# Altium PCB Flow_Pump.PcbDoc (part 1 of 3) (continued)
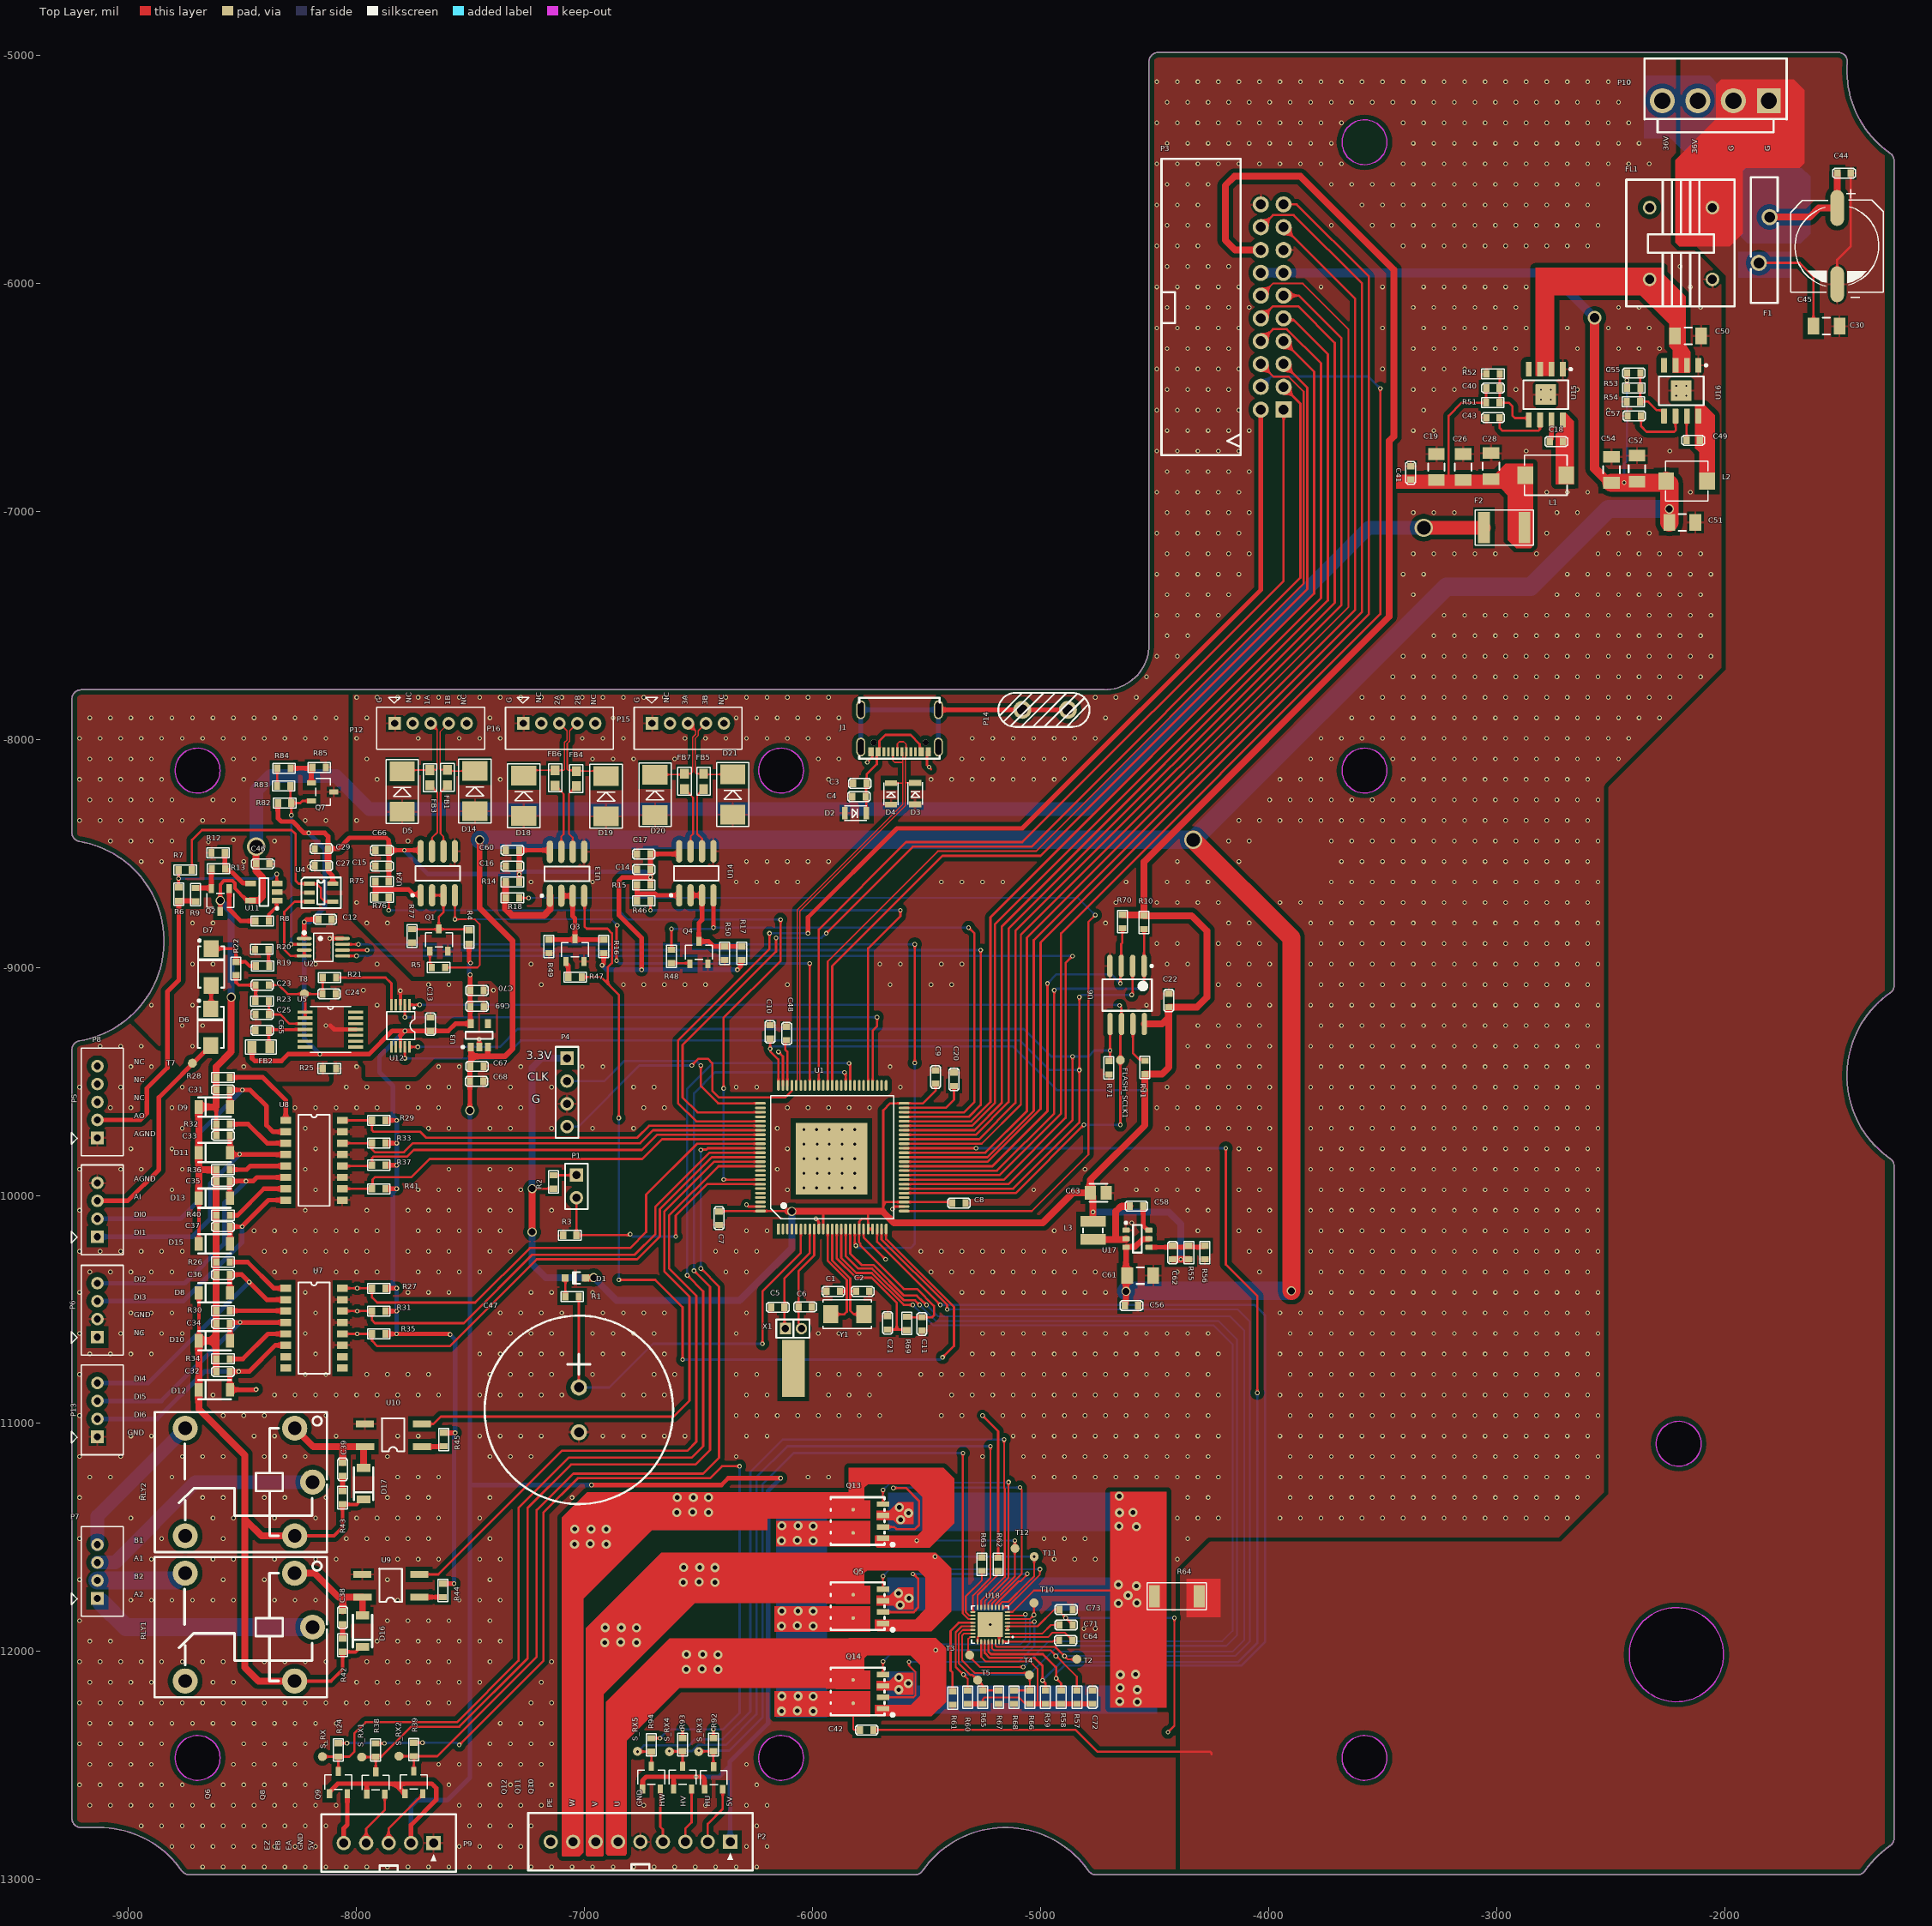
[diagram p0: Top Layer view]
## Components (designator, comment, footprint, x,y, rotation, side; value= is the part's Value field where it differs from the comment) (continued)
S_RX "TP" TPD#1 -8150,-12461.23 r90 top
S_RX1 "TP" TPD#1 -7978,-12463.23 r90 top
S_RX2 "TP" TPD#1 -7814,-12459.29 r90 top
S_RX3 "TP" TPD#1 -6500,-12439 r90 top
S_RX4 "TP" TPD#1 -6628,-12439.23 r90 top
S_RX5 "TP" TPD#1 -6768.1,-12438.29 r90 top
T2 "TP" TPD#1 -4841,-12034 r0 top
T3 "TP" TPD#1 -5311,-12016 r0 top
T4 "TP" TPD#1 -5049,-12103 r0 top
T5 "TP" TPD#1 -5275.94,-12125.5 r0 top
T7 "TP" TPD#1 -8720,-9420 r270 top
T8 "TP" TPD#1 -8229,-9115 r270 top
T10 "TP" TPD#1 -5029,-11787 r180 top
T11 "TP" TPD#1 -5028,-11584 r180 top
T12 "TP" TPD#2 -5112,-11563 r90 top
U1 "STM32F407VET6" TQFP-100 -6150,-10147 r90 top
U2 "DAC8551IADGKR" VSSOP-8_L3.0-W3.0-P0.65-LS5.0-BL -8146,-8911 r270 top
U3 "ME6119A33M5G" MCRN-SOT23-5_V -7462,-9297.75 r90 top
U4 "AD8615AUJZ-R2" SOT-23-5 -8156,-8672 r0 top
U5 "TLV2454IPW" TSSOP14 -8114.34,-9272.02 r0 top
U6 "FM25W32AI3-SO-T-G3" SOIC127P790X216-8N -4620,-9116 r270 top
U7 "TLP291-4" SOP16-T -8310.77,-10407 r0 top
U8 "TLP291-4" SOP16-T -8310.77,-9670.54 r0 top
U9 "AQY210S" SOP4 -7725.12,-11761.8 r180 top
U10 "AQY210S" SOP4 -7714,-11102 r180 top
U11 "TL071HIDBVR" DBV0005A_M -8407,-8669 r180 top
U12 "ADS1118IDGSR" VSSOP-10_L3.0-W3.0-P0.50-LS4.9-BL -7808,-9256 r180 top
U13 "THVD1400" MAXM-S8+4_M -7077,-8589 r90 top value=MAX33071EASA+
U14 "THVD1400" MAXM-S8+4_M -6510,-8587 r90 top value=MAX33071EASA+
U15 "LMR36520FADDAR" DDA0008A_M -2784,-6487 r270 top
U16 "LMR36520FADDAR" DDA0008A_M -2190,-6470 r270 top
U17 "TPS562201DDCR" DDC0006A_L -4575.02,-10189.74 r0 top
U18 "DRV8306HRSMR" VQFN-32_L4.0-W4.0-P0.40-BL-EP -5221,-11881.92 r90 top
U24 "THVD1400" MAXM-S8+4_M -7644,-8587 r90 top value=MAX33071EASA+
U28 "'" CONN-SMD_YTC1P-3015-01 -8435,-10849 r180 bottom
U29 "'" CONN-SMD_YTC1P-3015-01 -5583,-10892 r0 bottom
X1 "X308032768KGB2SC" A -6119,-10584 r0 top
Y1 "XG1EL89CSI-111YLC-8M" CRAY_5032 -5775.09,-10521 r180 top value=8M

## Footprints (in the part's own frame and the unit in brackets; to place one, negate y for a bottom-side part, rotate by r counter-clockwise, add the part's x,y. Pads: shape width x height; smd on the part's side, far side on the other; paste and mask are expansions set on the pad)
0603C [mm]
  rect 0.7x0.85 smd: 1(0,0) 2(1.5,0)
  silkscreen extent -0.5,-0.55 2,0.55
0603R [mm]
  rect 0.7x0.85 smd: 1(0,0) 2(1.5,0)
  silkscreen extent -0.5,-0.55 2,0.55
0805R [mm]
  rect 1x1.3 smd: 1(0,0) 2(2,0)
  silkscreen extent -0.7,-0.8 2.7,0.8
1812-F [mm]
  rect 1.3x3.5 smd: 1(0,0) 2(4.5,0)
  silkscreen extent -1,-1.95 5.5,1.95
2010R [mm]
  rect 1.2x2.5 smd: 1(0,0) 2(5,0)
  silkscreen extent -0.8,-1.5 5.8,1.5
A [mil]
  round 50 hole 32: 1(70,0)
  rect 50x50 hole 32: 2(0,0)
  rect 100x250 smd: 3(34.37,-175)
  silkscreen extent -40,-40 105,40
CAP-TH_BD21.0-P5.00-D0.8_CENXXX-CF [mm]
  round 1.8 hole 1.1 paste-2539.97 mask+0.05: 1(-2.5,0) 2(2.5,0)
  silkscreen extent -10.5,-10.5 10.5,10.5
CAPC2012X127N_0805 [mm] "Chip Capacitor, 0805"
  round 0.254 on Mech3: 0(0,0)
  rect 1.25x1.5 smd: 1(-0.875,0) 2(0.875,0)
  silkscreen extent -1,-1 1,1, body extent -1,-0.6 1,0.6, height 1.27
CAPC3216X156N_1206 [mm] "Chip Capacitor, 1206"
  round 0.254 on Mech3: 0(0,0)
  rect 1.3x1.85 smd: 1(-1.45,0) 2(1.45,0)
  silkscreen extent -0.4,-0.92 0.4,0.93, body extent -1.6,-0.8 1.6,0.8, height 1.52
CONN#PH2.0-4A [mm]
  rect 1.4x1.4 / inner round 1.2 / far side rect 1.4x1.4 hole 0.8: 1(0,0)
  round 1.4 / inner round 1.2 / far side round 1.4 hole 0.8: 2(0,2) 3(0,4) 4(0,6)
  silkscreen extent -2.9,-2 2.9,8, body extent -1.7,-1.95 3,7.95, height 6.01
CONN#PH2.0-5A [mm]
  rect 1.4x1.4 / inner round 1.2 / far side rect 1.4x1.4 hole 0.8: 1(0,0)
  round 1.4 / inner round 1.2 / far side round 1.4 hole 0.8: 2(0,2) 3(0,4) 4(0,6) 5(0,8)
  silkscreen extent -2.9,-2 2.9,10, body extent -1.7,-1.95 3,9.95, height 6.01
CONN-SMD_YTC1P-3015-01 [mm]
  round 2.3 smd paste+0 mask+0.05: 1(0,0)
  silkscreen extent -1.55,-1.54 1.54,1.54
CONN-TH_4P-P3.96_HX-VH3.96-4P-ZZ [mm]
  rect 2.6x2.8 hole 1.8 paste-2539.97 mask+0.05: 1(-5.94,0)
  round 2.8 hole 1.8 copper offset 0,0 paste-2539.97 mask+0.05: 2(-1.98,0)
  round 2.8 hole 1.8 paste-2539.97 mask+0.05: 3(1.98,0) 4(5.94,0)
  silkscreen extent -7.92,-4.7 7.92,3.52
CRAY_5032 [mm]
  rect 1.7x2 smd: 1(0,0) 2(3.7,0)
  silkscreen extent -0.86,-1.6 4.55,1.6
DBV0005A_M [mm] "SOT23, 5-Leads, Body 3.05x1.75mm, Pitch 0.95mm, IPC Low Density"
  rrect15% 1.2x0.65 smd: 1(-1.475,0.95) 2(-1.475,0) 3(-1.475,-0.95) 4(1.475,-0.95) 5(1.475,0.95)
  silkscreen extent -1.6,-1.55 0.5,1.95, body extent -1.42,-1.46 1.42,1.46, height 1.08
DDA0008A_M [mm] "SOP, 8-Leads, Body 4x5mm, Pitch 1.27mm, Thermal Pad 2.29x2.29mm, IPC Low Density"
  rrect15% 1.65x0.65 smd: 1(-2.825,1.905) 2(-2.825,0.635) 3(-2.825,-0.635) 4(-2.825,-1.905) 5(2.825,-1.905) 6(2.825,-0.635) 7(2.825,0.635) 8(2.825,1.905)
  rrect4% 2.29x2.29 smd: 9(0,0)
  silkscreen extent -2.95,-2.5 1.6,2.91, body extent -2.98,-2.45 2.98,2.45, height 1.55
DDC0006A_L [mm] "SOT23, 6-Leads, Body 3.05x1.75mm, Pitch 0.95mm, IPC High Density"
  rrect18% 0.8x0.55 smd: 1(-1.275,0.95) 2(-1.275,0) 3(-1.275,-0.95) 4(1.275,-0.95) 5(1.275,0) 6(1.275,0.95)
  silkscreen extent -1.4,-1.55 0.5,1.9, body extent -1.43,-1.48 1.43,1.49, height 0.9
DFN-8_L5.5-W5.2-P1.27-LS6.0-BL-EP2 [mil] "TO-252"
  rect 24x55 smd paste+2: 1(-75,-65.35) 2(-25,-65.35) 3(25,-65.35) 4(75,-65.35)
  round 15.97 smd: 5(51.18,65.35) 6(-51.18,65.35)
  Top Layer region: 11.26,-10.14 11.26,140.85 12.8,140.85 12.8,184.86 37.36,184.86 37.36,140.85 62.95,140.85 62.95,184.86 87.52,184.86 87.52,140.85 91.1,140.85 91.1,-10.14 11.26,-10.14
  Top Layer region: -91.1,-10.14 -91.1,140.85 -87.52,140.85 -87.52,184.86 -62.44,184.86 -62.44,140.85 -37.87,140.85 -37.87,184.86 -12.28,184.86 -12.28,140.85 -11.26,140.85 -11.26,-10.14 -91.1,-10.14
  silkscreen extent -107,-113 105,164
DIOD-SOD323-2_V [mm] "SOD-323, 2-Leads, Body 1.7x1.3mm, Lead Span 2.5mm"
  rect 0.8x0.8 smd: 1(-1.125,0) 2(1.125,0)
  silkscreen extent -0.56,-0.65 0.26,0.65, body extent -1.21,-0.65 1.31,0.65, height 1.13
DO-213AB/LL34/MINIMELF [mm]
  rect 0.9x1.5 smd: 1(1.75,0) 2(-1.75,0)
  silkscreen extent -1.8,-1.08 1.8,1.08
DO-214AC [mm] "Molded Diode, 2-Leads, Body 4.3x2.7mm, IPC Medium Density"
  rect 1.85x1.7 smd: 1(-2.05,0) 2(2.05,0)
  silkscreen extent -2.3,-1.45 3.07,1.45, body extent -2.3,-1.45 2.3,1.45, height 2.44
FBC0603 [mm]
  rect 1.1x1 smd: 1(0,0) 2(1.7,0)
  silkscreen extent -0.7,-0.75 2.4,0.75
FUSE-TH_L14.0-W3.0-P5.10-D0.8-LS1.20 [mm]
  round 1.8 hole 1.2 paste-2539.97 mask+0.05: 1(-2.55,0.6) 2(2.55,-0.6)
  silkscreen extent -7,-1.5 7,1.5
HDR1X2 [mm] "Connector; Header; 2 Position"
  rect 1.5x1.5 hole 0.9: 1(0,0)
  round 1.5 hole 0.9: 2(2.54,0)
  silkscreen extent -1.27,-1.27 3.81,1.27
HDR1X4 [mm] "Connector; Header; 4 Position"
  rect 1.5x1.5 hole 0.9: 1(0,0)
  round 1.5 hole 0.9: 2(2.54,0) 3(5.08,0) 4(7.62,0)
  silkscreen extent -1.27,-1.27 8.89,1.27
IDC-TH_20P-L33.0-W13.8-H-M-R2-C10-P2.54-S2.54-TR [mm]
  rect 1.8x1.8 hole 1.1: 1(11.43,1.27)
  round 1.8 hole 1.1: 2(11.43,-1.27) 3(8.89,1.27) 4(8.89,-1.27) 5(6.35,1.27) 6(6.35,-1.27) 7(3.81,1.27) 8(3.81,-1.27) 9(1.27,1.27) 10(1.27,-1.27) 11(-1.27,1.27) 12(-1.27,-1.27) 13(-3.81,1.27) 14(-3.81,-1.27) 15(-6.35,1.27) 16(-6.35,-1.27) 17(-8.89,1.27) 18(-8.89,-1.27) 19(-11.43,1.27) 20(-11.43,-1.27)
  silkscreen extent -16.51,-12.32 16.51,-3.52
IND-SMD_L4.5-W4.5_SMMS0420 [mm]
  rect 1.724x1.92 smd: 1(2.278,0) 2(-2.278,0)
  silkscreen extent -2.38,-2.23 2.38,2.23
IND-TH_4P-L14.0-W12.0_XRSQ1010-10MH-H [mm]
  round 1.524 hole 1 paste-2539.97 mask+0.05: 1(-4,-3.5) 2(4,-3.5) 3(4,3.5) 4(-4,3.5)
  silkscreen extent -7.11,-6.1 6.99,5.97
MAXM-S8+4_M [mm] "SOIC, 8-Leads, Body 4.9x3.9mm, Pitch 1.27mm, IPC Low Density"
  oval 2.5x0.7 smd: 1(-2.45,1.905) 2(-2.45,0.635) 3(-2.45,-0.635) 4(-2.45,-1.905) 5(2.45,-1.905) 6(2.45,-0.635) 7(2.45,0.635) 8(2.45,1.905)
  silkscreen extent -2.57,-2.5 0.8,2.93, body extent -2,-2.5 2,2.5, height 1.75
MCRN-SOT23-5_V [mm] "SOT-23, 5-Leads, Body 3x1.7mm, Pitch 0.95mm"
  rect 1x0.66 smd: 1(-1.3,0.95) 2(-1.3,0) 3(-1.3,-0.95) 4(1.3,-0.95) 5(1.3,0.95)
  silkscreen extent -1.42,-1.5 0.4,1.95, body extent -1.5,-1.5 1.5,1.5, height 1.45
PULS-BDCD00252012_V [mm] "SMD, 2 Leads, Body 2.5 x 2.0mm"
  rect 1.2x2.8 smd: 1(-1,0) 2(1,0)
  silkscreen extent -0.23,-1.1 0.23,1.1, body extent -1.25,-1 1.25,1, height 1.2
RELAY-TH_SRD-XXVDC-XL-C [mil]
  round 110 hole 60: 1(-200.79,-236.22) 2(279.53,-236.2) 3(279.53,236.2) 4(-200.79,236.22) 5(-279.53,0)
  silkscreen extent -342,-307 413,307
SMB [mm]
  rect 2.2x2.8 smd: 1(0,0) 2(4.5,0)
  silkscreen extent -1.3,-1.8 5.8,1.8
SOD323 [mm]
  rect 0.65x1.35 smd: 1(0,0) 2(2.4,0)
  silkscreen extent -0.03,-0.8 2.44,0.8
SOIC127P790X216-8N [mm] "SOIC, 8-Leads, Body 5.5x5.5mm (max), Pitch 1.27mm, IPC Medium Density"
  oval 2.5x0.6 smd: 1(-3.121,1.88) 2(-3.121,0.61) 3(-3.121,-0.66) 4(-3.121,-1.93) 5(3.35,-1.905) 6(3.35,-0.635) 7(3.35,0.635) 8(3.35,1.905)
  silkscreen extent -3.25,-2.75 1.88,2.85, body extent -2.75,-2.75 2.74,2.75, height 2.16
SOP4 [mil]
  rect 80x30 smd: 1(0,0) 2(0,-100) 3(250,-100) 4(249,0)
  silkscreen extent 76,-125 176,21
SOP16-T [mm]
  rect 1.2x0.8 smd: 1(0,0) 2(0,-1.27) 3(0,-2.54) 4(0,-3.81) 5(0,-5.08) 6(0,-6.35) 7(0,-7.62) 8(0,-8.89) 9(6.3,-8.89) 10(6.3,-7.62) 11(6.3,-6.35) 12(6.3,-5.08) 13(6.3,-3.81) 14(6.3,-2.54) 15(6.3,-1.27) 16(6.3,0)
  silkscreen extent 1.41,-9.53 4.89,0.64
SOT23-3 [mm]
  rect 1x0.6 smd: 1(0,0) 2(0,2) 3(-2.5,1)
  silkscreen extent -2.1,-0.5 -0.5,2.5
SOT-23-5 [mm]
  rect 1.2x0.5 smd: 1(-1.3,1) 2(-1.3,0) 3(-1.3,-1) 4(1.3,-1) 5(1.3,1)
  silkscreen extent -2.2,-1.7 2.2,1.7
TPD#1 [mm]
  round 1 smd: 1(0,0)
TPD#2 [mm]
  round 1 smd: 1(0.381,0)
TQFP-100 [mm]
  rect 1.2x0.3 smd: 1(0,0)
  oval 1.2x0.3 smd: 2(0,-0.5) 3(0,-1) 4(0,-1.5) 5(0,-2) 6(0,-2.5) 7(0,-3) 8(0,-3.5) 9(0,-4) 10(0,-4.5) 11(0,-5) 12(0,-5.5) 13(0,-6) 14(0,-6.5) 15(0,-7) 16(0,-7.5) 17(0,-8) 18(0,-8.5) 19(0,-9) 20(0,-9.5) 21(0,-10) 22(0,-10.5) 23(0,-11) 24(0,-11.5) 25(0,-12) 51(16,-12) 52(16,-11.5) 53(16,-11) 54(16,-10.5) 55(16,-10) 56(16,-9.5) 57(16,-9) 58(16,-8.5) 59(16,-8) 60(16,-7.5) 61(16,-7) 62(16,-6.5) 63(16,-6) 64(16,-5.5) 65(16,-5) 66(16,-4.5) 67(16,-4) 68(16,-3.5) 69(16,-3) 70(16,-2.5) 71(16,-2) 72(16,-1.5) 73(16,-1) 74(16,-0.5) 75(16,0)
  oval 0.3x1.2 smd: 26(2,-14) 27(2.5,-14) 28(3,-14) 29(3.5,-14) 30(4,-14) 31(4.5,-14) 32(5,-14) 33(5.5,-14) 34(6,-14) 35(6.5,-14) 36(7,-14) 37(7.5,-14) 38(8,-14) 39(8.5,-14) 40(9,-14) 41(9.5,-14) 42(10,-14) 43(10.5,-14) 44(11,-14) 45(11.5,-14) 46(12,-14) 47(12.5,-14) 48(13,-14) 49(13.5,-14) 50(14,-14) 76(14,2) 77(13.5,2) 78(13,2) 79(12.5,2) 80(12,2) 81(11.5,2) 82(11,2) 83(10.5,2) 84(10,2) 85(9.5,2) 86(9,2) 87(8.5,2) 88(8,2) 89(7.5,2) 90(7,2) 91(6.5,2) 92(6,2) 93(5.5,2) 94(5,2) 95(4.5,2) 96(4,2) 97(3.5,2) 98(3,2) 99(2.5,2) 100(2,2)
  rect 8x8 smd: 101(7.823,-5.918)
  silkscreen extent 1.13,-12.86 14.86,0.87
TSSOP14 [mil]
  rect 66x14 smd: 1(-111,76.77) 2(-111,51.18) 3(-111,25.59) 4(-111,0) 5(-111,-25.59) 6(-111,-51.18) 7(-111,-76.77) 8(111,-76.77) 9(111,-51.18) 10(111,-25.59) 11(111,0) 12(111,25.59) 13(111,51.18) 14(111,76.77)
  silkscreen extent -88,-100 88,100
TYPEC_16P [mm]
  oval 1x2.1 hole 0.65 slot 1.7 at 90 deg: 1(-4.32,3.759) 1(-4.32,-0.391) 1(4.32,3.759) 1(4.32,-0.391)
  round 0.67 hole 0.67: 2(-2.89,3.259) 2(2.89,3.259)
  rect 0.3x1 smd: A1(-3.05,4.293) A4(-2.25,4.293) A5(-1.25,4.293) A6(-0.25,4.293) A7(0.25,4.293) A8(1.25,4.293) A9(2.25,4.293) A12(3.35,4.293) B1(3.05,4.293) B4(2.55,4.293) B5(1.75,4.293) B6(0.75,4.293) B7(-0.75,4.293) B8(-1.75,4.293) B9(-2.55,4.293) B12(-3.35,4.293)
  silkscreen extent -4.45,-1.73 4.49,5.07
VQFN-32_L4.0-W4.0-P0.40-BL-EP [mm]
  oval 0.2x0.58 smd paste+0.051: 1(-1.4,-1.917) 2(-1,-1.917) 3(-0.6,-1.917) 4(-0.2,-1.917) 5(0.2,-1.917) 6(0.6,-1.917) 7(1,-1.917) 8(1.4,-1.917) 17(1.4,1.917) 18(1,1.917) 19(0.6,1.917) 20(0.2,1.917) 21(-0.2,1.917) 22(-0.6,1.917) 23(-1,1.917) 24(-1.4,1.917)
  oval 0.58x0.2 smd paste+0.051: 9(1.917,-1.4) 10(1.917,-1) 11(1.917,-0.6) 12(1.917,-0.2) 13(1.917,0.2) 14(1.917,0.6) 15(1.917,1) 16(1.917,1.4) 25(-1.917,1.4) 26(-1.917,1) 27(-1.917,0.6) 28(-1.917,0.2) 29(-1.917,-0.2) 30(-1.917,-0.6) 31(-1.917,-1) 32(-1.917,-1.4)
  rect 2.8x2.8 smd paste+0.051: 33(0,0)
  silkscreen extent -2.08,-2.58 2.08,2.08
VSSOP-8_L3.0-W3.0-P0.65-LS5.0-BL [mil]
  oval 14.33x65.43 smd paste+2: 1(-38.39,-83.9) 2(-12.79,-83.9) 3(12.8,-83.9) 4(38.39,-83.9) 5(38.39,83.9) 6(12.8,83.9) 7(-12.79,83.9) 8(-38.39,83.9)
  silkscreen extent -69,-90 62,42
VSSOP-10_L3.0-W3.0-P0.50-LS4.9-BL [mm]
  rect 0.3x1.3 smd paste+0 mask+0.051: 1(-1,-2.35) 2(-0.5,-2.35) 3(0,-2.35) 4(0.5,-2.35) 5(1,-2.35) 6(1,2.35) 7(0.5,2.35) 8(0,2.35) 9(-0.5,2.35) 10(-1,2.35)
  silkscreen extent -1.62,-2.08 1.52,1.54
XA2.5-5P [mm] "间距2.5mm"
  rect 1.6x1.6 hole 1: 1(5,0)
  round 1.6 hole 1: 2(2.5,0) 3(0,0) 4(-2.5,0) 5(-5,0)
  silkscreen extent -7.5,-3.2 7.5,3.2
XA2.5-9P [mm] "间距2.5mm"
  rect 1.6x1.6 hole 1: 1(10,0)
  round 1.6 hole 1: 2(7.5,0) 3(5,0) 4(2.5,0) 5(0,0) 6(-2.5,0) 7(-5,0) 8(-7.5,0) 9(-10,0)
  silkscreen extent -12.5,-3.2 12.5,3.2
Φ10×10 [mm]
  oval 1.524x4 smd: 1(0,4.25) 2(0,-4.25)
  silkscreen extent -5.15,-5.71 5.15,6.35
插片端子4.8*0.8mm [mm] "4.8*0.8mm"
  round 2 hole 1.2: 1(0,0) 2(5.08,0)
  silkscreen extent -2.41,-1.91 7.74,1.91, body extent -0.58,-0.25 5.67,0.25, height 8.55

## Part data
C1 C2 C3 C4 C21: library part CAP, Package=0603
C5 C6 C8 C9 C10 C11 C20 C23 C25 C31 C32 C33 C34 C35 C36 C37 C48: library part Cap, "Capacitor", Package=0603
C7 C12 C13 C14 C15 C16 C17 C24 C27 C29 C44 C46 C60 C64 C65 C66 C67 C68 C69 C71 C72 C73: library part Capacitor_0603, "Capacitor, MLCC", Package=0603, Voltage Rating=[voltage]
C18 C40 C41 C42 C43 C49 C55 C56 C57 C58 C62: library part Capacitor_0603, Package=0603, Voltage Rating=[voltage]
C19 C26 C28 C30 C50 C51 C52 C54: library part Capacitor_1206, Package=1206, Voltage Rating=[voltage]
C22: library part C, "C", Package=0603
C38 C39: library part CAP, "Capacitor", Package=0603
C45: library part "Cap Pol1", "Polarized Capacitor (Radial)", Package=Φ10×10
C47: library part CAP2, "电解电容"
C61: library part Capacitor_0805, Package=1206, Voltage Rating=[voltage]
C63: library part Capacitor_0805, Package=0805, Voltage Rating=[voltage]
C70: library part Capacitor_0402, "Capacitor, MLCC", Package=0603C, Voltage Rating=[voltage]
D1: Package=DIOD-SOD323-2_V, Voltage Temperature Coefficient=0.25mV/C, Voltage Tolerance=5%, Vz - Zener Voltage=12V, Zener Current=5mA, Width=1.4mm, Zz - Zener Impedance=40Ohms
D2 D3 D4: library part "DIODE S", Package=SOD323
D5 D14 D18 D19 D20 D21: library part SMAJ12CA, "Transient Voltage Suppression Diode, 400 W, 33 V, -65 to 150 degC, 2-Pin SMD, RoHS, Tape and Reel", Package=SMB
D6 D7: library part Diode, "Default Diode", Package=DO-214AC
D8 D9 D10 D11 D12 D13 D15 D16 D17: "VISHAY,LL4148,圆柱体MiniMELF100V/2A,ROHS", Package=DO-213AB/LL34/MiniMELF, 制造商=VISHAY, 名称=快速开关二极管, 版本=V1.00, 物料编号=APLLY
F1: library part FBC0603, "Ferrite Bead Chip", Package=FUSE-TH_L14.0-W3.0-P5.10-D0.8-LS1.20
F2: library part FBC0603, "Ferrite Bead Chip", Package=1812-F
FB1 FB3 FB4 FB5 FB6 FB7: library part FBC0603, "Ferrite Bead Chip", Package=FBC0603
FB2: library part FB, Package=0805R
FL1: Package=IND-TH_4P-L14.0-W12.0_XRSQ1010-10MH-H
FLASH_SCLK1: Package=tpd
J1: Package=TYPEC_16P
L1 L2: library part 1276AS-H-100M=P2, "Metal alloy Power Inductor, 10 uH, ±20%, 1210 (3225)", Package=IND-SMD_L4.5-W4.5_SMMS0420
L3: library part BDCD002520122R2MS1, Package=PULS-BDCD00252012_V
P1: Package=HDR1X2
P2: library part "Header 9", "Header, 9-Pin", Package=XA2.5-9P
P3: library part "Header 10X2", "Header, 10-Pin, Dual row", Package=IDC-TH_20P-L33.0-W13.8-H-M-R2-C10-P2.54-S2.54-TR
P4: library part "Header 4", Package=HDR1X4
P5 P6 P7 P13: library part "Header 4", "Header, 4-Pin", Package=CONN#PH2.0-4A
P8 P12 P15 P16: library part "Header 5", "Header, 5-Pin", Package=CONN#PH2.0-5A
P9: library part "Header 5", "Header, 5-Pin", Package=XA2.5-5P
P10: library part "Header 4", "Header, 4-Pin", Package=CONN-TH_4P-P3.96_HX-VH3.96-4P-ZZ
P14: "Header, 2-Pin", Package=插片端子4.8*0.8mm
Q1 Q3 Q4: library part NPN_MMBT3904, Package=SOT23-3
Q2: library part NPN, "NPN Bipolar Transistor", Package=SOT23-3
Q5 Q13 Q14: Package=DFN-8_L5.5-W5.2-P1.27-LS6.0-BL-EP2
Q6 Q8 Q9 Q10 Q11 Q12: library part BUK92150-55A, "BUK92150-55A", Package=SOT23-3
Q7: library part PUT, "Programmable Unijunction Transistor", Package=SOT23-3
R1 R19 R20 R22 R23 R25 R26 R27 R28 R29 R30 R31 R32 R33 R34 R35 R36 R37 R40 R41 R42 R43: library part Res0805M, Package=0603
R2 R3 R57 R58 R59 R60 R61 R62 R63 R65 R66 R67 R68 R69: library part R, Package=0603
R4 R14 R15 R16 R17 R18 R21 R46 R49 R50 R75 R76 R77: library part Resistor_0603, "Resistor, Standard", Package=0603
R5 R47 R48: library part RES0603, Package=0603, 制造商=三星/YAGEO, 参数值=1.00E+04, 器件等级=——, 工作温度="–55°C to 155°C", 序号=109, 物料主编码(PN)=150000040, 物料名称=贴片电阻, 物料描述=RES,贴片电阻,0603,10k,±1%,1/10W,1.6X0.8X0.45mm,RC1608F103CS/RC0603FR-0710KL, 物料类型=表贴电阻, 精度=±1%, 规格型号(完整型号)=RC1608F103CS/RC0603FR-0710KL
R6 R7 R8 R9 R10 R11 R12 R13 R70 R71 R82 R83 R84 R85: library part Res1, "Resistor", Package=0603
R24 R38 R39 R92 R93 R94: library part Res2, "Resistor", Package=0603
R44 R45: library part RES2, Package=0603
R51 R52 R53 R54 R55 R56: library part Resistor_0603, Package=0603
R64: library part Resistor_0603, "Resistor, Standard", Package=2010R
RLY1 RLY2: Package=RELAY-TH_SRD-XXVDC-XL-C
S_RX S_RX1 S_RX2 S_RX3 S_RX4 S_RX5 T7 T8 T10 T11 T12: Package=TPD
U1: Package=TQFP-100
U2: Package=VSSOP-8_L3.0-W3.0-P0.65-LS5.0-BL
U3: library part ME6119C50M5G, "High Speed LDO Regulators, Low ESR, 5.0 V, 400 mA, -40 to 125 degC, 5-Pin SOT-23, RoHS, Tape and Reel", Package=MCRN-SOT23-5_V
U4: library part AD8615, Package=sot-23-5
U5: library part MAX908EPD, "Quad High-speed, Ultra Low-power, Single-Supply TTL comparator", Package=TSSOP14
U6: library part M25P16-VMN6TPBA, Package=SOIC127P790X216-8N
U7 U8: library part TLP281-4, Package=SOP16-T
U9 U10: library part Optoisolator1, "4-Pin Phototransistor Optocoupler", Package=sop4
U11: "Low-Noise FET-Input Operational Amplifier, 4.5 V to 40 V,  -40 to 125 degC, 5-Pin SOT-23 (DBV), Green (RoHS & no Sb/Br), Tape and Reel", Package=DBV0005A_M
U12: library part ADS1118IDGSR_C55347, Package=VSSOP-10_L3.0-W3.0-P0.50-LS4.9-BL
U13 U14 U24: library part MAX33071EASA+, "RS-485 Half-Duplex Transceiver with ±65V Fault Protection,+3V to +5.5V, -40 to 125 degC, 8-Pin SOIC (S8+4), RoHS, Tube", Package=MAXM-S8+4_M, Vin="3.2 to 12.6 V", Vout="3.000 V"
U15 U16: Package=DDA0008A_M
U17: Package=DDC0006A_L, Width="1.01 mm"
U18: Package=VQFN-32_L4.0-W4.0-P0.40-BL-EP
U28 U29: library part YTC1P-3015-01, Package=CONN-SMD_YTC1P-3015-01
X1: library part XTAL, "Crystal Oscillator", Package=A
Y1: library part XTAL, Package=CRAY_5032

## Free pads (board coordinates)
  round 196.85 hole 196.85: 2(-8698,-12466) 2(-8696,-8138) 2(-6139,-12468) 2(-6139,-8136) 2(-3580,-12468) 2(-3579.33,-8136.65) 2(-2202,-11088)
  round 413.39 hole 413.39: 2(-2211.22,-12014.61)

## Via types
v1: diameter 20, hole 12, Top Layer to Bottom Layer, tented both sides, 2140 vias
v2: diameter 20, hole 12, Top Layer to Bottom Layer, 84 vias
v3: diameter 40, hole 20, Top Layer to Bottom Layer, tented both sides, 73 vias
v4: diameter 40, hole 30, Top Layer to Bottom Layer, 11 vias
v5: diameter 19.68, hole 7.87, Top Layer to Bottom Layer, 8 vias
v6: diameter 80, hole 60, Top Layer to Bottom Layer, 3 vias
v7: diameter 60, hole 40, Top Layer to Bottom Layer, 1 vias

## Nets (pads, with @x,y where several pads share a name; then routed paths per layer and width w, separated by ;. In a path a pad name is that pad's centre, name@x,y a point inside that pad or via, vN(x,y) a via of type N, cw(c..) or ccw(c..) an arc to the next point about the centre after c; other vN are vias at no path point)
3.3V_ISO: C12.1 C13.1 C14.1 C15.1 C16.1 C17.1 C27.1 C29.1 C60.1 C66.1 C69.1 C70.1 FB2.1 R4.2 R14.2 R15.2 R16.2 R17.2 R27.1 R29.1 R31.1 R33.1 R35.1 R37.1 R41.1 R44.2 R45.2 R75.2 R82.1 U2.1 U3.5 U4.5 U12.8 U13.8 U14.8 U24.8 | length 10063.8
  Top Layer w15: U12.8@-7808.01,-9348.52 -7808,-9298
  Top Layer w20: FB2.1@-8459,-9349 -8459,-9398.28 -8447.28,-9410 -8330,-9410 -8300,-9380 -7944.78,-9380 -7842.84,-9278.06 v1(-7788.06,-9278.06) ; R82.1@-8345,-8279 -8345,-8345 -8330,-8360 -8280,-8360 -8230,-8410 -8140,-8410 -8125,-8425 C29.1@-8125,-8479 -8079,-8479 -8031,-8431 -7870.72,-8431 -7859,-8442.72 C66.1@-7859,-8486 ; U2.1@-8229.9,-8872.61 v1(-8229.9,-8800.72) -8218.18,-8789 C12.1@-8168,-8789 ; -8125,-8533 C27.1@-8125,-8553 -8125,-8578 -8104.82,-8598.18 U4.5@-8104.82,-8632.63 ; R35.1@-7873.45,-10607 v1(-7824.2,-10607) -7593,-10607 v1(-7590,-10610) ; R27.1@-7873.45,-10407.06 R27.1@-7873.39,-10407 v1(-7824.13,-10407) ; R31.1@-7873.39,-10507 v1(-7824.13,-10507) ; R41.1@-7873.39,-9970.54 v1(-7824.13,-9970.54) ; R37.1@-7873.39,-9867 v1(-7824.13,-9867) ; R33.1@-7873.39,-9770.54 v1(-7824.13,-9770.54) ; R29.1@-7873.39,-9670.54 v1(-7824.13,-9670.54) ; R75.2@-7859,-8623.33 C15.1@-7859,-8554.67 C66.1@-7859,-8486 ; -7808,-9298 v1(-7788.06,-9278.06) ; U24.8@-7719,-8490.54 -7719,-8489.49 -7722.49,-8486 v1(-7790.75,-8486) C66.1@-7859,-8486 ; R44.2@-7622,-11702.75 v1(-7572.75,-11702.75) ; R45.2@-7617,-11040.94 v1(-7567.75,-11040.94) ; R4.2@-7507,-8896.06 -7507,-8973 v1(-7500,-8980) ; v1(-7502,-9032) C70.1@-7502,-9101 -7502,-9243.97 U3.5@-7499.4,-9246.57 -7566.57,-9246.57 -7598.06,-9278.06 C13.1@-7676,-9278.06 v1(-7788.06,-9278.06) ; R14.2@-7286.94,-8625.33 v1(-7286.94,-8590.5) C16.1@-7286.94,-8555.67 C60.1@-7286.94,-8486 -7155.49,-8486 -7152,-8489.49 U13.8@-7152,-8492.54 ; v1(-6923.34,-8990.03) -6916,-8982.7 R16.2@-6916,-8937 ; v1(-6750,-9010) -6750,-8870 -6850,-8770 -6850,-8620 -6834.5,-8604.5 v1(-6710.94,-8604.5) ; R15.2@-6710.94,-8638.67 v1(-6710.94,-8604.5) ; U14.8@-6585,-8490.54 -6585,-8498.51 -6588.49,-8502 C17.1@-6710.94,-8502 C14.1@-6710.94,-8570.33 v1(-6710.94,-8604.5) ; v1(-6330,-9010) -6315.47,-8995.47 -6315.47,-8970.78 -6311.69,-8967 R17.2@-6311,-8967
  Top Layer w30: -8125,-8533 C29.1@-8125,-8479
  Bottom Layer w20: v1(-8210,-8410) -8140,-8480 -8140,-8736.37 -8204.34,-8800.72 v1(-8229.9,-8800.72) -8229.9,-9311.6 v1(-8161.5,-9380) ; v1(-7824.2,-10607) -7824.2,-10407.06 v1(-7824.13,-10407) -7840,-10391.13 -7840,-9986.41 v1(-7824.13,-9970.54) v1(-7824.13,-9867) v1(-7824.13,-9770.54) v1(-7824.13,-9670.54) -7824.13,-9668.29 -7840,-9652.43 -7840,-9520 -7900,-9460 -7900,-9390 v1(-7788.06,-9278.06) ; v1(-7790.75,-8486) -7686.25,-8590.5 v1(-7286.94,-8590.5) -7276.44,-8580 -6735.44,-8580 v1(-6710.94,-8604.5) ; v1(-7590,-10610) -7567.75,-10632.25 v1(-7567.75,-11040.94) -7572.75,-11045.94 v1(-7572.75,-11702.75) ; v1(-7502,-9032) -7507,-9027 -7507,-8987 v1(-7500,-8980) ; v1(-6923.34,-8990.03) -6903.37,-9010 v1(-6750,-9010) v1(-6330,-9010)
24V_F: C31.1 C32.1 C33.1 C34.1 C35.1 C36.1 C37.1 C46.1 D8.2 D9.2 D10.2 D11.2 D12.2 D13.2 D15.2 D16.2 D17.2 F2.2 Q2.3 R26.2 R28.2 R30.2 R32.2 R34.2 R36.2 R40.2 R42.2 R43.2 RLY1.4 RLY2.4 U11.5 | length 12676.7
  Top Layer w15: D10.2@-8692.28,-10637 D8.2@-8692.28,-10427 ; D15.2@-8692.28,-10212 D13.2@-8692.28,-10012 ; -8692.28,-9886.75 -8692.03,-9887 ; -8617.43,-9612 -8615.43,-9610 R32.2@-8615.43,-9687 C33.1@-8615.43,-9737 ; Q2.3@-8598,-8753 -8598,-8635.82 -8581.59,-8619.41 -8544.62,-8619.41 -8534.32,-8629.71 -8534.32,-8652.68 -8485.89,-8701.11 -8470.37,-8701.11 U11.5@-8465.07,-8706.4 ; RLY1.4@-8271.67,-12129.42 -8111.42,-12129.42 -8061.2,-12079.2 R42.2@-8061.2,-12001.8 -8004.81,-12001.8 -7996.03,-11993.02 -7996.03,-11990.11 -7985.81,-11979.9 D16.2@-7974,-11979.9 ; RLY2.4@-8271.21,-11493.22 -8099.22,-11493.22 -8062,-11456 R43.2@-8062,-11355 -7999.81,-11355 -7991.03,-11346.21 -7991.03,-11343.11 -7980.81,-11332.9 D17.2@-7969,-11332.9
  Top Layer w30: D13.2@-8692.28,-10012 -8692.28,-9886.75 D11.2@-8692.28,-9812 D9.2@-8692.28,-9612 -8617.43,-9612 ; -8692.03,-9887 R36.2@-8615.43,-9887 R40.2@-8615.43,-10087 R26.2@-8615.43,-10292 C36.1@-8615.43,-10347 C34.1@-8615.43,-10562 -8615.43,-10637 ; C32.1@-8615.43,-10772 -8615.43,-10637 ; -8615.43,-9610 R28.2@-8615.43,-9482 -8615.43,-9435.43 -8550,-9370 v4(-8550,-9130) ; U11.5@-8465.07,-8706.4 -8430.57,-8706.4 -8413,-8688.83 -8413,-8604 -8441,-8576 C46.1@-8441,-8545 -8440.5,-8544.5 -8440.5,-8470.5 v6(-8440,-8470) ; RLY1.4@-8271.67,-12129.42 -8272.25,-12130 -8430,-12130 -8490,-12070 -8490,-11420 ; RLY2.4@-8271.21,-11493.22 -8416.78,-11493.22 -8490,-11420 ; -8615.43,-10637 D10.2@-8692.28,-10637 D12.2@-8692.28,-10852 -8692.28,-10936.44 -8490,-11138.73 -8490,-11420
  Top Layer w60: v6@-3320,-7070 v6(-3319,-7071) F2.2@-3055.17,-7071
  Bottom Layer w30: v4(-8598,-8706.45) -8550,-8754.45 v4(-8550,-9130)
  Bottom Layer w60: v6(-8440,-8470) -8440,-8222.96 -8377.04,-8160 -8090,-8160 -7945.06,-8304.94 -4794.94,-8304.94 -3561,-7071 v6(-3319,-7071)
+3.3v: C7.1 C8.2 C9.2 C10.2 C11.2 C22.2 C62.1 C63.1 D1.1 L3.2 P3.16 P4.1 R2.1 R10.1 R11.1 R55.2 R69.1 R70.1 U1.11 U1.19 U1.21 U1.22 U1.28 U1.50 U1.75 U1.100 U6.8 | length 15611.5
  Top Layer w10: v4(-7229.94,-9970.06) R2.1@-7136,-9970.06 ; C7.1@-6410,-10070 -6408.61,-10068.61 -6229.09,-10068.61 U1.100@-6228.74,-10068.26 -6111.74,-10068.26 ; C10.2@-6186,-9312.06 v1(-6186,-9356.21) -6186,-9367.29 -6150,-9403.29 U1.75@-6150,-9517.08 ; -5954.82,-10070 -5953.15,-10071.67 U1.11@-5953.15,-10147 ; -5756.98,-10070 -5756.3,-10070.68 -5756.3,-10108.17 ; U1.22@-5736.61,-10147 U1.21@-5756.3,-10147 -5756.3,-10108.17 ; -5692.63,-10070 -5690,-10067.37 -5690,-10040 ; R69.1@-5587,-10532 -5584.77,-10534.23 -5475.77,-10534.23 -5467.61,-10526.06 -5467.61,-10484.11 -5541.72,-10410 -5600,-10410 -5790,-10220 -5790,-10211.72 -5795.67,-10206.05 U1.19@-5795.67,-10147 -5795.67,-10114.72 -5783.26,-10102.32 -5762.16,-10102.32 -5756.3,-10108.17 ; C9.2@-5460,-9510 -5460,-9540 -5515.82,-9595.82 U1.50@-5598.82,-9595.82 -5659.25,-9595.82 -5690,-9626.57 -5690,-10040 ; C8.2@-5388,-10033 -5392.11,-10028.89 U1.28@-5598.82,-10028.89 -5678.89,-10028.89 -5690,-10040
  Top Layer w30: v4(-7230,-10160) v4@-7229.97,-9970.08 ; D1.1@-6996.71,-10362 -6995.96,-10361.25 -6961.25,-10361.25 v4(-6960,-10360) ; v4@-6110,-10070 -5954.82,-10070 -5756.98,-10070 -5692.63,-10070 -5642.63,-10120 -4990,-10120 -4858.34,-9988.34 C63.1@-4781.27,-9988.34 -4781.27,-9931.27 -4542,-9692 R11.1@-4542,-9468.06 -4468.06,-9468.06 -4438,-9438 -4438,-9218 ; L3.2@-4769.82,-10113.97 C63.1@-4769.82,-10004.71 ; R70.1@-4641,-8768.94 -4550.51,-8768.94 -4546.51,-8772.94 R10.1@-4546,-8772.94 -4546,-8536 -3470,-7460 -3470,-6690 -3450,-6670 -3450,-5940 -3860,-5530 -4150,-5530 -4190,-5570 -4190,-5810 -4147,-5853 P3.16@-4034,-5853 ; R10.1@-4545.49,-8772.94 -4337.06,-8772.94 -4320.01,-8789.99 -4270,-8840 -4270,-9130 -4314.06,-9174.06 C22.2@-4438,-9174.06 -4438,-9218 ; U6.8@-4545,-9247.89 -4467.89,-9247.89 -4438,-9218 ; C62.1@-4420,-10280 v2(-4385,-10280) R55.2@-4350,-10280
  Bottom Layer w10: v1(-6186,-9356.21) -6184.7,-9356.21 -6175.14,-9346.65 -5119.57,-9346.65 -4928.89,-9537.32 v1(-4542,-9537.32)
  Bottom Layer w30: v4(-7230,-10160) -7230,-10300 -7170,-10360 v4(-6960,-10360) -6860.02,-10459.98 -6319.98,-10459.98 -6090.88,-10230.88 v4(-6090.88,-10070) ; v4@-7230,-9970 -7230,-9440 -7188,-9398 P4.1@-7077,-9398 ; v2(-4769.82,-10072.48) -4462.48,-10072.48 -4462.43,-10072.43 -4437.57,-10072.43 -4385,-10125 v2(-4385,-10280)
Adc_input: C23.2 C24.1 R21.2 T8.1 U5.1 U5.2 | length 431.2
  Top Layer w10: C23.2@-8384.02,-9077.12 -8340.88,-9077.12 -8302,-9116 T8.1@-8216,-9116 ; U5.2@-8225.34,-9220.84 U5.1@-8225.34,-9195.25 -8225.34,-9125.34 T8.1@-8216,-9116 ; R21.2@-8149,-9044 -8149,-9115 C24.1@-8150,-9116 T8.1@-8216,-9116
AI0: D6.1 P5.3 T7.1 | length 966
  Top Layer w20: P5.3@-9137,-10023.61 -9004.61,-10023.61 -8867,-9886 -8867,-9569.71 -8666.42,-9369.13 -8663.46,-9369.13 -8640,-9345.66 D6.1@-8640,-9342.71
BL: P3.4 U1.34 | length 5125.4
  Top Layer w10: U1.34@-5598.82,-9910.78 -5180.78,-9910.78 -4910,-9640 -4910,-8850 -3510,-7450 v2(-3510,-6460)
  Bottom Layer w10: P3.4@-4034,-6453 -3988.57,-6407.57 -3562.43,-6407.57 v2(-3510,-6460)
BOOT0: P1.2 R3.1 U1.94 | length 1125.8
  Top Layer w10: P1.2@-7036,-10010 -7035.5,-10010.5 -7035.5,-10173.44 R3.1@-7035,-10173.94 -6806.65,-10173.94 -6802.71,-10170 v2(-6800,-10170) ; v2(-6600,-10180.16) -6600,-10087.81 -6462.34,-9950.15 U1.94@-6228.74,-9950.15
  Bottom Layer w10: v2(-6800,-10170) -6789.84,-10180.16 v2(-6600,-10180.16)
CS: P3.1 U1.66 | length 4107.3
  Top Layer w10: U1.66@-5972.83,-9517.08 -5972.83,-8832.83 -5590,-8450 -5080,-8450 -3934,-7304 P3.1@-3934,-6553
DC: P3.19 U1.37 | length 5446.6
  Top Layer w10: U1.37@-5598.82,-9851.72 -5231.72,-9851.72 -5000,-9620 -5000,-8890 -3560,-7450 -3560,-5970 -3877,-5653 P3.19@-3934,-5653
DI_0: C31.2 D9.1 P5.2 U8.2 | length 1488.4
  Top Layer w20: D9.1@-8554.49,-9612 -8556.38,-9610.11 C31.2@-8556.38,-9537 -8467,-9537 -8395,-9609 -8395,-9692 -8366.46,-9720.54 U8.2@-8310.77,-9720.54
  Bottom Layer w20: P5.2@-9137,-10102.35 -8772.35,-10102.35 -8692.28,-10022.28 -8692.28,-9728.28 v2(-8501,-9537)
DI_1: C33.2 D11.1 P5.1 U8.4 | length 1187.7
  Top Layer w20: C33.2@-8556.38,-9737 -8554.49,-9738.89 D11.1@-8554.49,-9812 -8554.49,-9812.83 -8546.77,-9820.54 U8.4@-8310.77,-9820.54
  Bottom Layer w20: P5.1@-9137,-10181.09 -8721.09,-10181.09 -8642.29,-10102.29 -8642.29,-9948.29 v1(-8513,-9819)
DI_2: C35.2 D13.1 P6.4 U8.6 | length 1270.5
  Top Layer w20: D13.1@-8554.49,-10012 -8556.38,-10010.11 C35.2@-8556.38,-9937 -8454,-9937 -8437.54,-9920.54 U8.6@-8310.77,-9920.54
  Bottom Layer w20: P6.4@-9137,-10384.87 -8753.94,-10384.87 -8579.7,-10210.63 -8579.7,-10031.7 v1(-8485,-9937)
DI_3: C37.2 D15.1 P6.3 U8.8 | length 1179.8
  Top Layer w20: D15.1@-8554.49,-10212 -8554.49,-10138.89 C37.2@-8556.38,-10137 -8503,-10137 -8386.54,-10020.54 U8.8@-8310.77,-10020.54
  Bottom Layer w20: P6.3@-9137,-10463.61 -8760.61,-10463.61 -8502,-10205 v1(-8502,-10137)
DI_4: C36.2 D8.1 P13.4 U7.2 | length 1221.2
  Top Layer w20: D8.1@-8554.49,-10427 -8556.38,-10425.11 C36.2@-8556.38,-10347 -8504,-10347 -8394,-10457 U7.2@-8310.77,-10457
  Bottom Layer w20: P13.4@-9137,-10822.35 -8913.35,-10822.35 v1(-8471,-10380)
DI_5: C34.2 D10.1 P13.3 U7.4 | length 1093.1
  Top Layer w20: D10.1@-8554.49,-10637 -8554.49,-10563.89 C34.2@-8556.38,-10562 -8556.38,-10560.78 -8552.6,-10557 U7.4@-8310.77,-10557
  Bottom Layer w20: P13.3@-9137,-10901.09 -8856.09,-10901.09 v1(-8511,-10556)
DI_6: C32.2 D12.1 P13.2 U7.6 U28.1 | length 1195.4
  Top Layer w20: v2@-8440,-10850 -8442,-10852 D12.1@-8554.49,-10852 -8556.38,-10850.11 C32.2@-8556.38,-10772 -8471,-10772 -8356,-10657 U7.6@-8310.77,-10657
  Bottom Layer w20: P13.2@-9137,-10979.83 -8874.83,-10979.83 -8667,-10772 v1(-8517,-10772)
  other v2: -8441,-10851